# Altium PCB PCB2.PcbDoc (part 1 of 5) (continued)
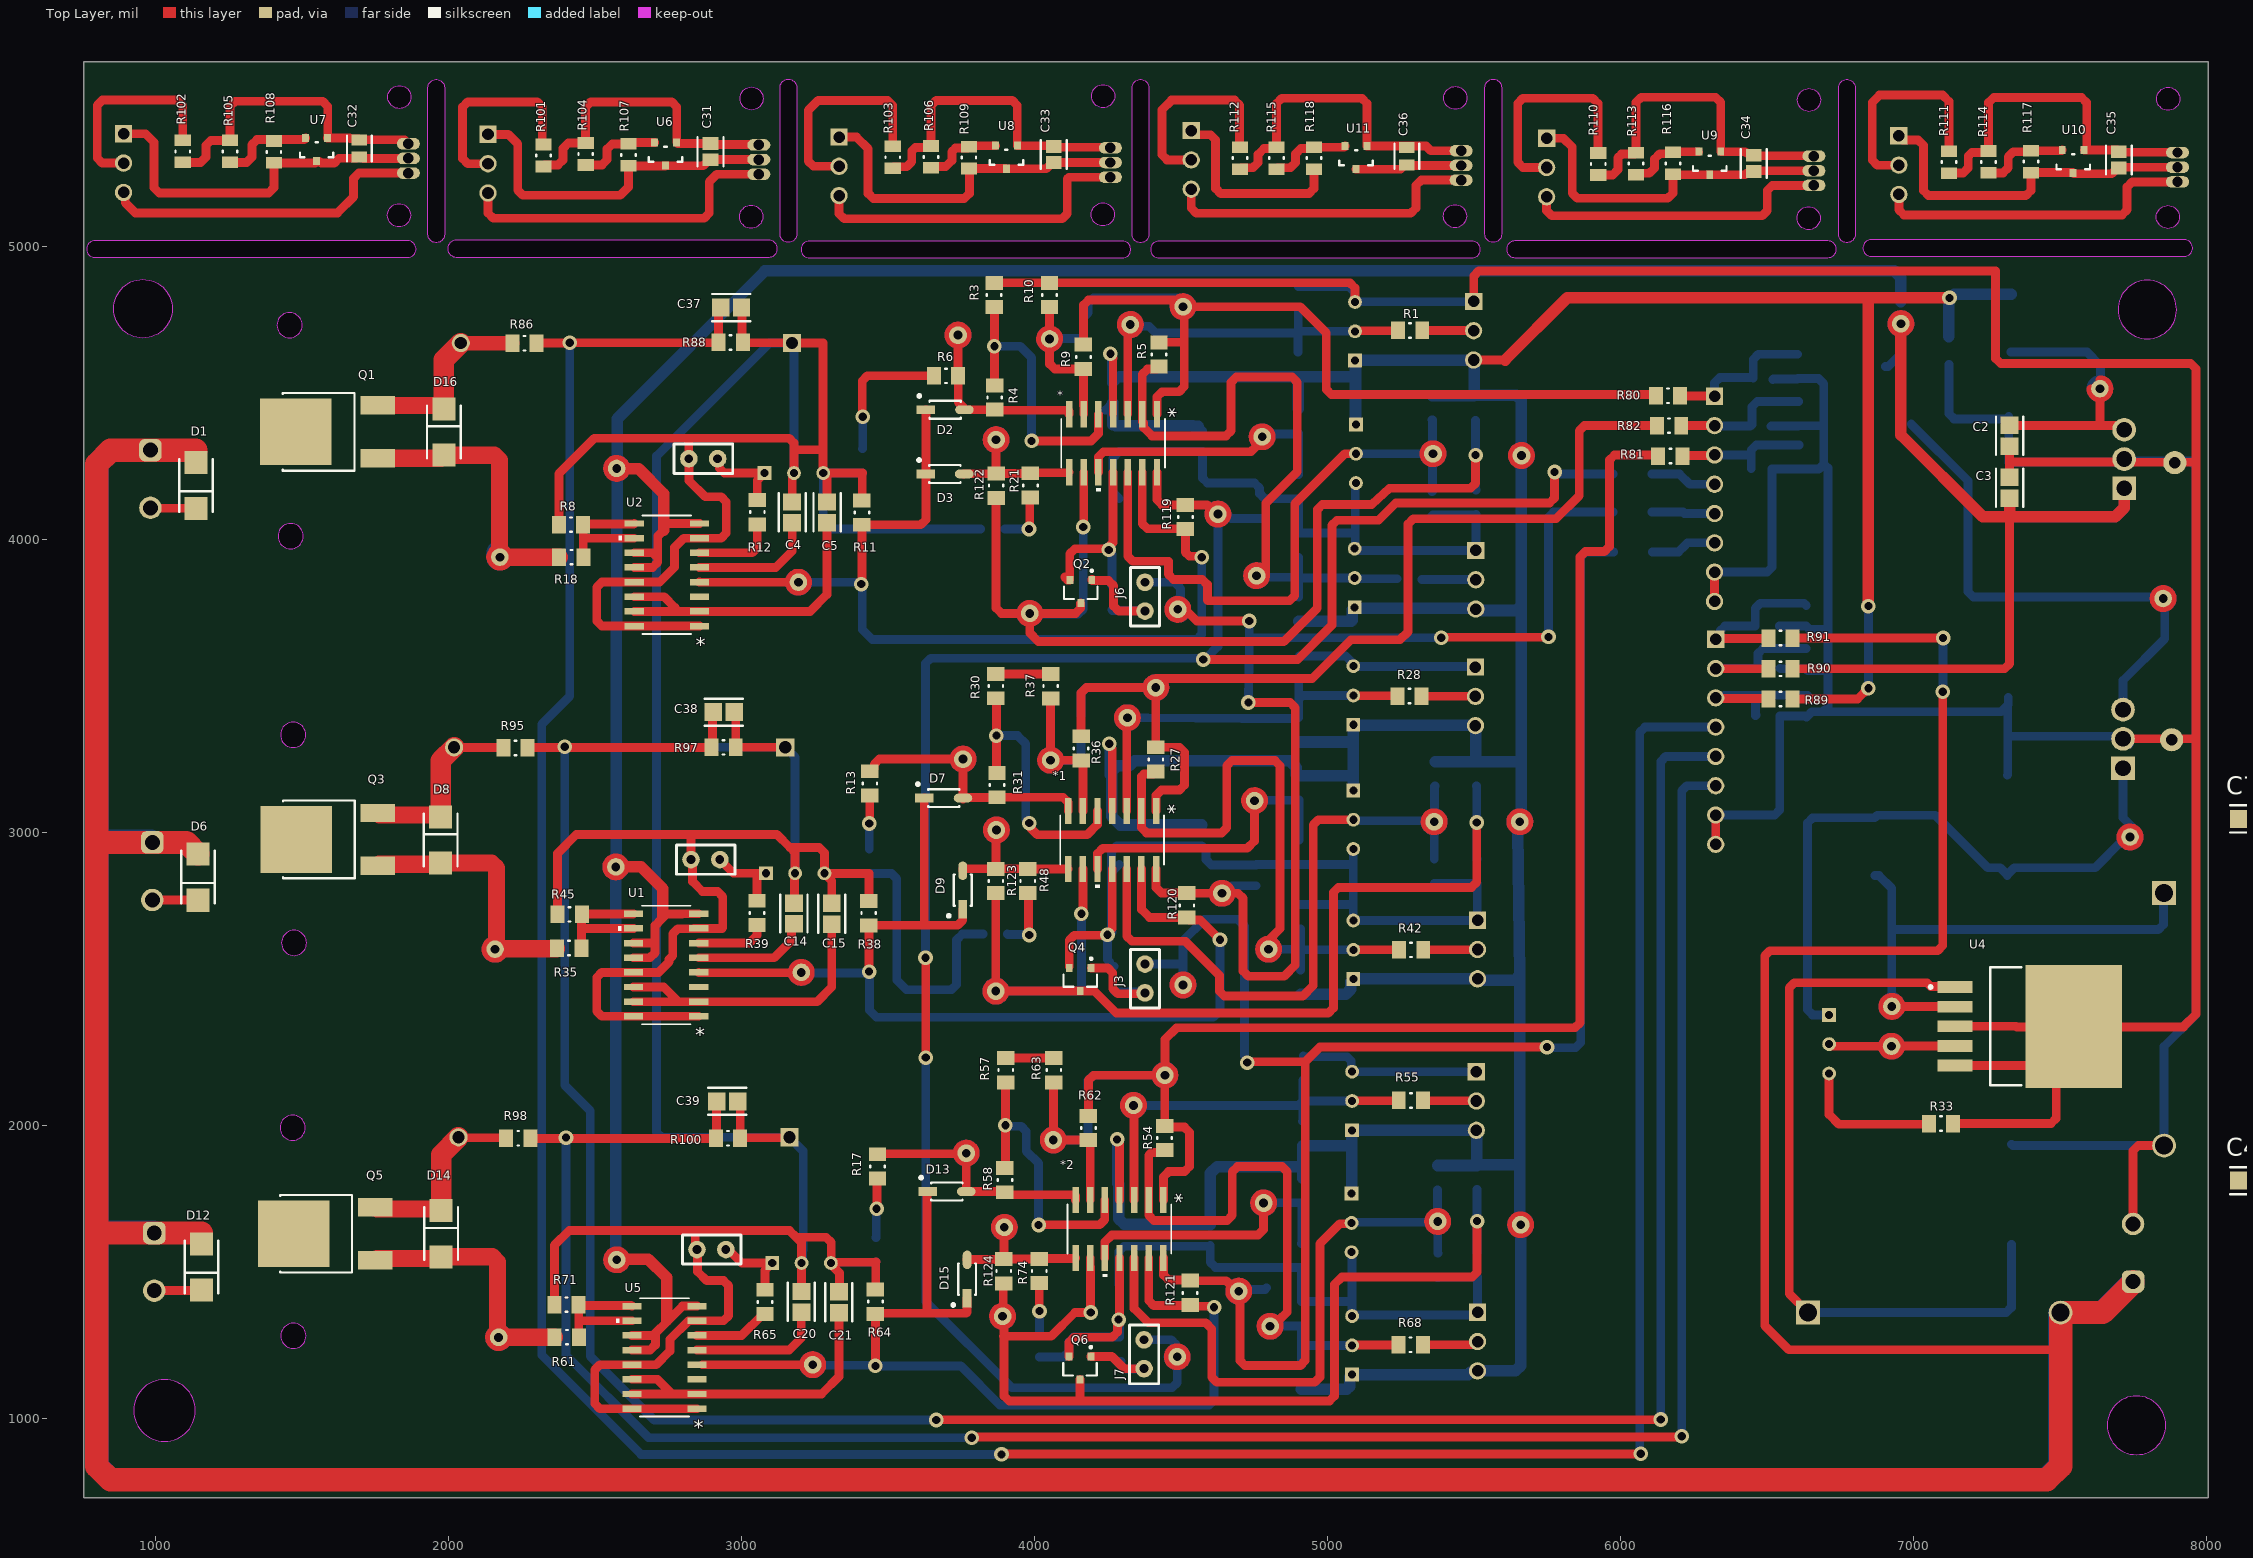
[diagram p0: Top Layer view]
## Components (designator, comment, footprint, x,y, rotation, side; value= is the part's Value field where it differs from the comment) (continued)
J13 "Jumper 1x2.54" Jumper_2.54 64545,2945 r90 top (schematic designator J3)
J14 "Jumper 1x2.54" Jumper_2.54 59905,2945 r90 top (schematic designator J4)
J16 "Jumper 1x2.54" Jumper_2.54 38320,2945 r90 top (schematic designator J6)
J17 "Jumper 1x2.54" Jumper_2.54 33420,2945 r90 top (schematic designator J7)
J19 "Jumper 1x2.54" Jumper_2.54 14615,2945 r90 top (schematic designator J9)
J20 "Jumper 1x2.54" Jumper_2.54 10285,2945 r90 top (schematic designator J10)
L1 "7445720" WE-PD2-L 7332,4737 r90 bottom
L2 "7445720" WE-PD2-L 6903,4490.57 r90 bottom
L3 "7445720" WE-PD2-L 6867,2950 r90 bottom
P1 "61900311121" 61900311121 5486,4711 r90 bottom
P2 "61900311121" 61900311121 5493.19,3861 r90 bottom
P3 "61900311121" 61900311121 5492.19,3463 r90 bottom
P4 "61900311121" 61900311121 5499.19,2599 r90 bottom
P5 "61900311121" 61900311121 5495.19,2082 r90 bottom
P6 "61900311121" 61900311121 5499.19,1261 r90 bottom
P7 "61900811121" 61900811121 6308.19,4137 r90 bottom
P8 "61900811121" 61900811121 6312,3308 r90 bottom
P9 "61900311121" 61900311121 2122,5281 r90 bottom
P10 "61900311121" 61900311121 878.19,5283 r90 bottom
P11 "61900311121" 61900311121 3320,5272 r90 bottom
P12 "61900311121" 61900311121 5735,5268 r90 bottom
P13 "61900311121" 61900311121 6937.19,5276 r90 bottom
P14 "61900311121" 61900311121 4522,5294 r90 bottom
Q1 "IRLR2905TRPBF" On_Semiconductor_369C_MFG 1588,4366 r90 top
Q2 "BC847B,215" BC847B215 4157,3821 r180 top
Q3 "IRLR2905TRPBF" On_Semiconductor_369C_MFG 1588.84,2975 r90 top
Q4 "BC847B,215" BC847B215 4155,2497 r180 top
Q5 "IRLR2905TRPBF" On_Semiconductor_369C_MFG 1579.84,1629 r90 top
Q6 "BC847B,215" BC847B215 4154,1171 r180 top
Q7 "IRLR2905TRPBF" TO229P991X239-3_4N 14790,1096.57 r90 top (schematic designator Q1)
Q8 "IRFR9024N" TO229P991X239-3_4N 67325,2870 r90 top (schematic designator Q2)
Q10 "IRLR2905TRPBF" Infineon_Technologies_PG-TO252-3_MFG 48055,2865 r0 top (schematic designator Q4)
Q11 "IRFR9024N" TO229P991X239-3_4N 43245,3640 r90 top (schematic designator Q5)
Q13 "IRLR2905TRPBF" Infineon_Technologies_PG-TO252-3_MFG 20855,2865 r0 top (schematic designator Q7)
Q14 "IRFR9024N" TO229P991X239-3_4N 17815,2870 r90 top (schematic designator Q8)
R1 "50k" Vishay_CRCW0805-e3_IPC_A 5281,4712 r180 top
R2 "47k" Vishay_CRCW0805-e3_IPC_A 4898,4596 r270 bottom
R3 "1k" Vishay_CRCW0805-e3_IPC_A 3861,4833 r90 top
R4 "100k" Vishay_CRCW0805-e3_IPC_A 3863,4483 r90 top
R5 "100k" Vishay_CRCW0805-e3_IPC_A 4424,4630 r90 top
R6 "1k" Vishay_CRCW0805-e3_IPC_A 3697,4557 r0 top
R7 "47k" Vishay_CRCW0805-e3_IPC_A 4899,4819.63 r270 bottom
R8 "100" Vishay_CRCW0805-e3_IPC_A 2418,3938 r0 top
R9 "10k" Vishay_CRCW0805-e3_IPC_A 4166,4622 r90 top
R10 "1k" Vishay_CRCW0805-e3_IPC_A 4050,4833 r90 top
R11 "100k" Vishay_CRCW0805-e3_IPC_A 3410,4090 r90 top
R12 "1k" Vishay_CRCW0805-e3_IPC_A 3053,4091.63 r90 top
R13 "1k" Vishay_CRCW0805-e3_IPC_A 3437,3166 r90 top
R14 "10k" Vishay_CRCW0805-e3_IPC_A 4899,4402 r270 bottom
R15 "50k" Vishay_CRCW0805-e3_IPC_A 5280,3862 r180 bottom
R16 "47k" Vishay_CRCW0805-e3_IPC_A 4901,3760.63 r270 bottom
R17 "1k" Vishay_CRCW0805-e3_IPC_A 3463,1859 r90 top
R18 "50k" Vishay_CRCW0805-e3_IPC_A 2417,4049 r0 top
R19 "10k" Vishay_CRCW0805-e3_IPC_A 5503,4447 r270 bottom
R20 "47k" Vishay_CRCW0805-e3_IPC_A 4901,3979 r90 bottom
R21 "1k" Vishay_CRCW0805-e3_IPC_A 3985,4183 r90 top
R22 "47k" Vishay_CRCW0805-e3_IPC_A 5506,4126 r90 bottom
R23 "1k" Vishay_CRCW0805-e3_IPC_A 4900,4179 r90 bottom
R24 "1k" Vishay_CRCW0805-e3_IPC_A 5356,4448.63 r90 bottom
R25 "51k" Vishay_CRCW0805-e3_IPC_A 4263,3800 r270 bottom
R26 "10k" Vishay_CRCW0805-e3_IPC_A 5356,4120 r270 bottom
R27 "100k" Vishay_CRCW0805-e3_IPC_A 4413,3248 r90 top
R28 "50k" Vishay_CRCW0805-e3_IPC_A 5279,3464 r180 top
R29 "47k" Vishay_CRCW0805-e3_IPC_A 4901,3348.63 r270 bottom
R30 "1k" Vishay_CRCW0805-e3_IPC_A 3867,3498 r90 top
R31 "100k" Vishay_CRCW0805-e3_IPC_A 3871,3160 r90 top
R32 "100k" Vishay_CRCW0805-e3_IPC_A 19405,1810 r0 top (schematic designator R1)
R33 "1k" Vishay_CRCW0805-e3_IPC_A 7093,2005 r180 top
R34 "47k" Vishay_CRCW0805-e3_IPC_A 4901,3558 r270 bottom
R35 "100" Vishay_CRCW0805-e3_IPC_A 2411,2604 r0 top
R36 "10k" Vishay_CRCW0805-e3_IPC_A 4158,3285.63 r90 top
R37 "1k" Vishay_CRCW0805-e3_IPC_A 4054,3497.63 r90 top
R38 "100k" Vishay_CRCW0805-e3_IPC_A 3433,2723 r90 top
R39 "1k" Vishay_CRCW0805-e3_IPC_A 3052,2724 r90 top
R40 "50k" Vishay_CRCW0805-e3_IPC_A 19175,1810 r0 top (schematic designator R2)
R41 "10k" Vishay_CRCW0805-e3_IPC_A 4902,3150.63 r270 bottom
R42 "50k" Vishay_CRCW0805-e3_IPC_A 5284.37,2598 r180 top
R43 "47k" Vishay_CRCW0805-e3_IPC_A 4907,2487 r270 bottom
R44 "47k" Vishay_CRCW0805-e3_IPC_A 18945,1810 r0 top (schematic designator R3)
R45 "50k" Vishay_CRCW0805-e3_IPC_A 2412.63,2719 r0 top
R46 "9.1k" Vishay_CRCW0805-e3_IPC_A 5507,3198.63 r270 bottom
R47 "47k" Vishay_CRCW0805-e3_IPC_A 4908,2711 r90 bottom
R48 "1k" Vishay_CRCW0805-e3_IPC_A 3976,2833 r90 top
R49 "10k" Vishay_CRCW0805-e3_IPC_A 5509,2866.37 r90 bottom
R50 "1k" Vishay_CRCW0805-e3_IPC_A 4901,2930.63 r90 bottom
R51 "1k" Vishay_CRCW0805-e3_IPC_A 5366,3198.63 r90 bottom
R52 "51k" Vishay_CRCW0805-e3_IPC_A 4270,2500.37 r270 bottom
R53 "10k" Vishay_CRCW0805-e3_IPC_A 5363,2866 r270 bottom
R54 "100k" Vishay_CRCW0805-e3_IPC_A 4443,1956 r90 top
R55 "50k" Vishay_CRCW0805-e3_IPC_A 5283.37,2084 r180 top
R56 "47k" Vishay_CRCW0805-e3_IPC_A 4914,1971.37 r270 bottom
R57 "1k" Vishay_CRCW0805-e3_IPC_A 3901,2187 r90 top
R58 "100k" Vishay_CRCW0805-e3_IPC_A 3898,1812 r90 top
R59 "1k" Vishay_CRCW0805-e3_IPC_A 18485,1810 r0 top (schematic designator R4)
R60 "47k" Vishay_CRCW0805-e3_IPC_A 4916,2195.37 r270 bottom
R61 "100" Vishay_CRCW0805-e3_IPC_A 2402.63,1276 r0 top
R62 "10k" Vishay_CRCW0805-e3_IPC_A 4183,1990 r90 top
R63 "1k" Vishay_CRCW0805-e3_IPC_A 4065,2187 r90 top
R64 "100k" Vishay_CRCW0805-e3_IPC_A 3456,1397 r90 top
R65 "1k" Vishay_CRCW0805-e3_IPC_A 3079,1396.37 r90 top
R66 "100k" Vishay_CRCW0805-e3_IPC_A 18715,1810 r0 top (schematic designator R5)
R67 "10k" Vishay_CRCW0805-e3_IPC_A 4914,1777 r270 bottom
R68 "50k" Vishay_CRCW0805-e3_IPC_A 5283,1250 r180 top
R69 "47k" Vishay_CRCW0805-e3_IPC_A 4910,1140 r270 bottom
R70 "51k" Vishay_CRCW0805-e3_IPC_A 16760,1810 r0 top (schematic designator R6)
R71 "50k" Vishay_CRCW0805-e3_IPC_A 2401.63,1387 r0 top
R72 "9.1k" Vishay_CRCW0805-e3_IPC_A 5509,1821 r270 bottom
R73 "47k" Vishay_CRCW0805-e3_IPC_A 4910,1356 r90 bottom
R74 "1k" Vishay_CRCW0805-e3_IPC_A 4015,1502 r90 top
R75 "10k" Vishay_CRCW0805-e3_IPC_A 5510,1523 r90 bottom
R76 "1k" Vishay_CRCW0805-e3_IPC_A 4910,1554 r90 bottom
R77 "1k" Vishay_CRCW0805-e3_IPC_A 5374,1820 r90 bottom
R78 "51k" Vishay_CRCW0805-e3_IPC_A 4289,1235 r270 bottom
R79 "10k" Vishay_CRCW0805-e3_IPC_A 5376,1521 r270 bottom
R80 "51k" Vishay_CRCW0805-e3_IPC_A 6161,4489 r180 top
R81 "51k" Vishay_CRCW0805-e3_IPC_A 6169,4283 r180 top
R82 "51k" Vishay_CRCW0805-e3_IPC_A 6165,4387 r180 top
R83 "10k" Vishay_CRCW0805-e3_IPC_A 6604,4589 r270 bottom
R84 "10k" Vishay_CRCW0805-e3_IPC_A 6606,4428 r270 bottom
R85 "10k" Vishay_CRCW0805-e3_IPC_A 6608,4280 r270 bottom
R86 "10k" Vishay_CRCW0805-e3_IPC_A 2258.37,4668 r180 top
R87 "0.1ohm" RES_TUM5_OHM 3171,4669 r180 bottom
R88 "10k" Vishay_CRCW0805-e3_IPC_A 2962,4671 r0 top
R89 "33k" Vishay_CRCW0805-e3_IPC_A 6545,3454 r0 top
R90 "33k" Vishay_CRCW0805-e3_IPC_A 6545,3557 r0 top
R91 "51k" Vishay_CRCW0805-e3_IPC_A 6545,3662 r0 top
R92 "1k" Vishay_CRCW0805-e3_IPC_A 6501,3397 r0 bottom
R93 "1k" Vishay_CRCW0805-e3_IPC_A 6502,3559 r0 bottom
R94 "1k" Vishay_CRCW0805-e3_IPC_A 6500,3703 r0 bottom
R95 "10k" Vishay_CRCW0805-e3_IPC_A 2227.37,3287 r180 top
R96 "0.1ohm" RES_TUM5_OHM 3148,3289 r180 bottom
R97 "10k" Vishay_CRCW0805-e3_IPC_A 2938,3289 r0 top
R98 "10k" Vishay_CRCW0805-e3_IPC_A 2237,1955 r180 top
R99 "0.1ohm" RES_TUM5_OHM 3163,1958 r180 bottom
R100 "10k" Vishay_CRCW0805-e3_IPC_A 2953,1955 r0 top
R101 "100" Vishay_CRCW0805-e3_IPC_B 2323,5309 r90 top
R102 "100" Vishay_CRCW0805-e3_IPC_B 1092,5323 r90 top
R103 "100" Vishay_CRCW0805-e3_IPC_B 3515,5303 r90 top
R104 "100" Vishay_CRCW0805-e3_IPC_B 2467,5314 r270 top
R105 "100" Vishay_CRCW0805-e3_IPC_B 1253,5323 r270 top
R106 "100" Vishay_CRCW0805-e3_IPC_B 3646,5304 r270 top
R107 "100" Vishay_CRCW0805-e3_IPC_B 2613,5311 r270 top
R108 "100" Vishay_CRCW0805-e3_IPC_B 1403,5321 r270 top
R109 "100" Vishay_CRCW0805-e3_IPC_B 3775,5302 r270 top
R110 "100" Vishay_CRCW0805-e3_IPC_B 5923,5280 r90 top
R111 "100" Vishay_CRCW0805-e3_IPC_B 7120,5286.44 r90 top
R112 "100" Vishay_CRCW0805-e3_IPC_B 4700,5300 r90 top
R113 "100" Vishay_CRCW0805-e3_IPC_B 6052,5281 r270 top
R114 "100" Vishay_CRCW0805-e3_IPC_B 7255,5287 r270 top
R115 "100" Vishay_CRCW0805-e3_IPC_B 4825,5300 r270 top
R116 "100" Vishay_CRCW0805-e3_IPC_B 6178,5282 r270 top
R117 "100" Vishay_CRCW0805-e3_IPC_B 7400,5288 r270 top
R118 "100" Vishay_CRCW0805-e3_IPC_B 4953,5300 r270 top
R119 "100k" Vishay_CRCW0805-e3_IPC_A 4514,4075 r270 top
R120 "100k" Vishay_CRCW0805-e3_IPC_A 4519,2750 r270 top
R121 "100k" Vishay_CRCW0805-e3_IPC_A 4530,1427.37 r270 top
R122 "100k" Vishay_CRCW0805-e3_IPC_A 3868,4182 r270 top
R123 "100k" Vishay_CRCW0805-e3_IPC_A 3867,2833 r270 top
R124 "100k" Vishay_CRCW0805-e3_IPC_A 3894,1501 r270 top
R125 "51k" Vishay_CRCW0805-e3_IPC_A 16440,1775 r90 top (schematic designator R7)
R126 "51k" Vishay_CRCW0805-e3_IPC_A 16160,1775 r90 top (schematic designator R8)
R127 "50k" Vishay_CRCW0805-e3_IPC_A 15880,1775 r90 top (schematic designator R9)
R128 "47k" Vishay_CRCW0805-e3_IPC_A 15325,1775 r90 top (schematic designator R10)
R129 "100" Vishay_CRCW0805-e3_IPC_A 15605,1775 r90 top (schematic designator R11)
R130 "1k" Vishay_CRCW0805-e3_IPC_A 13365,1775 r90 top (schematic designator R12)
R131 "10k" Vishay_CRCW0805-e3_IPC_A 12300,1775 r90 top (schematic designator R13)
R132 "1k" Vishay_CRCW0805-e3_IPC_A 11730,1775 r90 top (schematic designator R14)
R133 "10k" Vishay_CRCW0805-e3_IPC_A 10660,1775 r90 top (schematic designator R15)
R134 "10k" Vishay_CRCW0805-e3_IPC_A 10940,1775 r90 top (schematic designator R16)
R135 "10k" Vishay_CRCW0805-e3_IPC_A 11220,1775 r90 top (schematic designator R17)
R136 "100" Vishay_CRCW0805-e3_IPC_A 9420,1775 r90 top (schematic designator R18)
R137 "100k" Vishay_CRCW0805-e3_IPC_A 8340,1775 r90 top (schematic designator R19)
R138 "1k" Vishay_CRCW0805-e3_IPC_A 8620,1775 r90 top (schematic designator R20)
R139 "100k" Vishay_CRCW0805-e3_IPC_A 67575,3010 r90 top (schematic designator R21)
R140 "10k" Vishay_CRCW0805-e3_IPC_A 66955,3010 r90 top (schematic designator R22)
R141 "50k" Vishay_CRCW0805-e3_IPC_A 66695,3010 r90 top (schematic designator R23)
R142 "47k" Vishay_CRCW0805-e3_IPC_A 66415,3010 r90 top (schematic designator R24)
R143 "50k" Vishay_CRCW0805-e3_IPC_A 65045,3010 r90 top (schematic designator R25)
R144 "10k" Vishay_CRCW0805-e3_IPC_A 63745,3010 r90 top (schematic designator R26)
R145 "10k" Vishay_CRCW0805-e3_IPC_A 63465,3010 r90 top (schematic designator R27)
R147 "47k" Vishay_CRCW0805-e3_IPC_A 62895,3010 r90 top (schematic designator R29)
R148 "100k" Vishay_CRCW0805-e3_IPC_A 61805,3010 r90 top (schematic designator R30)
R149 "10k" Vishay_CRCW0805-e3_IPC_A 61525,3010 r90 top (schematic designator R31)
R150 "1k" Vishay_CRCW0805-e3_IPC_A 61245,3010 r90 top (schematic designator R32)
R151 "47k" Vishay_CRCW0805-e3_IPC_A 60125,3010 r90 top (schematic designator R33)
R152 "1k" Vishay_CRCW0805-e3_IPC_A 60380,3010 r90 top (schematic designator R34)
R153 "1k" Vishay_CRCW0805-e3_IPC_A 59625,3010 r90 top (schematic designator R35)
R154 "51k" Vishay_CRCW0805-e3_IPC_A 59115,3010 r90 top (schematic designator R36)
R155 "33k" Vishay_CRCW0805-e3_IPC_A 57995,3010 r90 top (schematic designator R37)
R156 "33k" Vishay_CRCW0805-e3_IPC_A 58275,3010 r90 top (schematic designator R38)
R157 "51k" Vishay_CRCW0805-e3_IPC_A 58555,3010 r90 top (schematic designator R39)
R158 "10k" Vishay_CRCW0805-e3_IPC_A 57445,3010 r90 top (schematic designator R40)
R159 "1k" Vishay_CRCW0805-e3_IPC_A 55470,3010 r90 top (schematic designator R41)
R160 "1k" Vishay_CRCW0805-e3_IPC_A 55750,3010 r90 top (schematic designator R42)
R161 "1k" Vishay_CRCW0805-e3_IPC_A 56030,3010 r90 top (schematic designator R43)
R162 "100k" Vishay_CRCW0805-e3_IPC_A 53465,3010 r90 top (schematic designator R44)
R163 "50k" Vishay_CRCW0805-e3_IPC_A 53185,3010 r90 top (schematic designator R45)
R164 "47k" Vishay_CRCW0805-e3_IPC_A 52905,3010 r90 top (schematic designator R46)
R165 "1k" Vishay_CRCW0805-e3_IPC_A 52345,3010 r90 top (schematic designator R47)
R166 "100k" Vishay_CRCW0805-e3_IPC_A 52625,3010 r90 top (schematic designator R48)
R167 "1k" Vishay_CRCW0805-e3_IPC_A 52065,3010 r90 top (schematic designator R49)
R168 "50k" Vishay_CRCW0805-e3_IPC_A 50285,3010 r90 top (schematic designator R50)
R169 "47k" Vishay_CRCW0805-e3_IPC_A 50005,3010 r90 top (schematic designator R51)
R170 "100" Vishay_CRCW0805-e3_IPC_A 49435,3010 r90 top (schematic designator R52)
R171 "1k" Vishay_CRCW0805-e3_IPC_A 48305,3010 r90 top (schematic designator R53)
R172 "10k" Vishay_CRCW0805-e3_IPC_A 47680,3010 r90 top (schematic designator R54)
R173 "1k" Vishay_CRCW0805-e3_IPC_A 47400,3010 r90 top (schematic designator R55)
R174 "100" Vishay_CRCW0805-e3_IPC_B 46650,3030 r90 top (schematic designator R56)
R175 "100" Vishay_CRCW0805-e3_IPC_B 45630,3030 r90 top (schematic designator R57)
R176 "100" Vishay_CRCW0805-e3_IPC_B 46140,3030 r90 top (schematic designator R58)
R177 "100" Vishay_CRCW0805-e3_IPC_A 44860,3010 r90 top (schematic designator R59)
R178 "100k" Vishay_CRCW0805-e3_IPC_A 44010,3010 r90 top (schematic designator R60)
R179 "1k" Vishay_CRCW0805-e3_IPC_A 44290,3010 r90 top (schematic designator R61)
R180 "100k" Vishay_CRCW0805-e3_IPC_A 43500,3010 r90 top (schematic designator R62)
R181 "10k" Vishay_CRCW0805-e3_IPC_A 42690,3010 r90 top (schematic designator R63)
R182 "100" Vishay_CRCW0805-e3_IPC_B 42400,3030 r90 top (schematic designator R64)
R183 "100" Vishay_CRCW0805-e3_IPC_B 41840,3030 r90 top (schematic designator R65)
R184 "100" Vishay_CRCW0805-e3_IPC_B 42120,3030 r90 top (schematic designator R66)
R185 "50k" Vishay_CRCW0805-e3_IPC_A 41570,3010 r90 top (schematic designator R67)
R186 "47k" Vishay_CRCW0805-e3_IPC_A 41290,3010 r90 top (schematic designator R68)
R187 "50k" Vishay_CRCW0805-e3_IPC_A 39470,3010 r90 top (schematic designator R69)
R188 "10k" Vishay_CRCW0805-e3_IPC_A 37520,3010 r90 top (schematic designator R70)
R189 "9.1k" Vishay_CRCW0805-e3_IPC_A 37240,3010 r90 top (schematic designator R71)
R190 "100" Vishay_CRCW0805-e3_IPC_B 36655,3030 r90 top (schematic designator R72)
R191 "100" Vishay_CRCW0805-e3_IPC_B 36115,3030 r90 top (schematic designator R73)
R192 "100" Vishay_CRCW0805-e3_IPC_B 36375,3030 r90 top (schematic designator R74)
R194 "47k" Vishay_CRCW0805-e3_IPC_A 35850,3010 r90 top (schematic designator R76)
R195 "100k" Vishay_CRCW0805-e3_IPC_A 35340,3010 r90 top (schematic designator R77)
R196 "10k" Vishay_CRCW0805-e3_IPC_A 35060,3010 r90 top (schematic designator R78)
R197 "1k" Vishay_CRCW0805-e3_IPC_A 34780,3010 r90 top (schematic designator R79)
R198 "10k" Vishay_CRCW0805-e3_IPC_A 33635,3010 r90 top (schematic designator R80)
R199 "1k" Vishay_CRCW0805-e3_IPC_A 33915,3010 r90 top (schematic designator R81)
R200 "1k" Vishay_CRCW0805-e3_IPC_A 33130,3010 r90 top (schematic designator R82)
R201 "51k" Vishay_CRCW0805-e3_IPC_A 32630,3010 r90 top (schematic designator R83)
R202 "100" Vishay_CRCW0805-e3_IPC_B 31495,3030 r90 top (schematic designator R84)
R203 "100" Vishay_CRCW0805-e3_IPC_B 32065,3030 r90 top (schematic designator R85)
R204 "100" Vishay_CRCW0805-e3_IPC_B 30925,3030 r90 top (schematic designator R86)
R205 "10k" Vishay_CRCW0805-e3_IPC_A 30065,3010 r90 top (schematic designator R87)
R206 "100" Vishay_CRCW0805-e3_IPC_B 29245,3030 r90 top (schematic designator R88)
R207 "100" Vishay_CRCW0805-e3_IPC_B 29535,3030 r90 top (schematic designator R89)
R208 "100" Vishay_CRCW0805-e3_IPC_B 28955,3030 r90 top (schematic designator R90)
R209 "100" Vishay_CRCW0805-e3_IPC_B 26825,3030 r90 top (schematic designator R91)
R210 "100" Vishay_CRCW0805-e3_IPC_B 27115,3030 r90 top (schematic designator R92)
R211 "100" Vishay_CRCW0805-e3_IPC_B 26565,3030 r90 top (schematic designator R93)
R212 "100k" Vishay_CRCW0805-e3_IPC_A 26005,3010 r90 top (schematic designator R94)
R213 "50k" Vishay_CRCW0805-e3_IPC_A 25725,3010 r90 top (schematic designator R95)
R214 "47k" Vishay_CRCW0805-e3_IPC_A 25445,3010 r90 top (schematic designator R96)
R215 "1k" Vishay_CRCW0805-e3_IPC_A 24885,3010 r90 top (schematic designator R97)
R216 "100k" Vishay_CRCW0805-e3_IPC_A 25165,3010 r90 top (schematic designator R98)
R217 "50k" Vishay_CRCW0805-e3_IPC_A 23525,3010 r90 top (schematic designator R99)
R218 "47k" Vishay_CRCW0805-e3_IPC_A 22560,3010 r90 top (schematic designator R100)
R219 "100" Vishay_CRCW0805-e3_IPC_A 22840,3010 r90 top (schematic designator R101)
R220 "1k" Vishay_CRCW0805-e3_IPC_A 21105,3010 r90 top (schematic designator R102)
R221 "10k" Vishay_CRCW0805-e3_IPC_A 20495,3010 r90 top (schematic designator R103)
R222 "1k" Vishay_CRCW0805-e3_IPC_A 20205,3010 r90 top (schematic designator R104)
R223 "100" Vishay_CRCW0805-e3_IPC_A 19165,3010 r90 top (schematic designator R105)
R224 "100k" Vishay_CRCW0805-e3_IPC_A 18295,3010 r90 top (schematic designator R106)
R225 "1k" Vishay_CRCW0805-e3_IPC_A 18585,3010 r90 top (schematic designator R107)
R226 "100k" Vishay_CRCW0805-e3_IPC_A 17205,3010 r90 top (schematic designator R108)
R227 "10k" Vishay_CRCW0805-e3_IPC_A 16915,3010 r90 top (schematic designator R109)
R228 "50k" Vishay_CRCW0805-e3_IPC_A 16625,3010 r90 top (schematic designator R110)
R229 "47k" Vishay_CRCW0805-e3_IPC_A 16335,3010 r90 top (schematic designator R111)
R230 "50k" Vishay_CRCW0805-e3_IPC_A 15120,3010 r90 top (schematic designator R112)
R231 "10k" Vishay_CRCW0805-e3_IPC_A 13790,3010 r90 top (schematic designator R113)
R232 "9.1k" Vishay_CRCW0805-e3_IPC_A 13500,3010 r90 top (schematic designator R114)
R234 "47k" Vishay_CRCW0805-e3_IPC_A 12870,3010 r90 top (schematic designator R116)
R235 "100k" Vishay_CRCW0805-e3_IPC_A 12350,3010 r90 top (schematic designator R117)
R236 "10k" Vishay_CRCW0805-e3_IPC_A 12060,3010 r90 top (schematic designator R118)
R237 "1k" Vishay_CRCW0805-e3_IPC_A 11770,3010 r90 top (schematic designator R119)
R238 "10k" Vishay_CRCW0805-e3_IPC_A 10510,3010 r90 top (schematic designator R120)
R239 "1k" Vishay_CRCW0805-e3_IPC_A 10800,3010 r90 top (schematic designator R121)
R240 "1k" Vishay_CRCW0805-e3_IPC_A 9990,3010 r90 top (schematic designator R122)
R241 "51k" Vishay_CRCW0805-e3_IPC_A 9490,3010 r90 top (schematic designator R123)
R242 "10k" Vishay_CRCW0805-e3_IPC_A 8570,3010 r90 top (schematic designator R124)
RG1 "Reg_Fairchild_LM7805CT_eec" Fairchild_LM7805CT_0 7739.26,4273 r0 bottom
RP1 "10k" Bourns_3296W_MFG 5093.2,4709 r180 bottom
RP2 "10k" Bourns_3296W_MFG 5092,3867 r180 bottom
RP3 "10k" Bourns_3296W_MFG 3178,4224.8 r90 bottom
RP4 "10k" Bourns_3296W_MFG 5095.8,4291 r0 bottom
RP5 "50k" Bourns_3296W_MFG 6710.8,2276 r0 bottom
RP6 "10k" Bourns_3296W_MFG 5087.2,3466 r180 bottom
RP7 "10k" Bourns_3296W_MFG 5087.2,2598 r180 bottom
RP8 "10k" Bourns_3296W_MFG 3182,2859 r90 bottom
RP9 "10k" Bourns_3296W_MFG 5086.8,3042 r0 bottom
RP10 "10k" Bourns_3296W_MFG 5083.2,2082 r180 bottom
RP11 "10k" Bourns_3296W_MFG 5083.2,1248 r180 bottom
RP12 "10k" Bourns_3296W_MFG 3204,1528.8 r90 bottom
RP13 "10k" Bourns_3296W_MFG 5081,1666 r0 bottom
RP14 "10k" Bourns_3296W_MFG 17640,1665 r0 top (schematic designator RP1)
RP15 "10k" Bourns_3296W_MFG 65665,2900 r0 top (schematic designator RP2)
RP16 "10k" Bourns_3296W_MFG 64815,2900 r0 top (schematic designator RP3)
RP17 "10k" Bourns_3296W_MFG 58885,2900 r0 top (schematic designator RP4)
RP18 "50k" Bourns_3296W_MFG 53795,2900 r0 top (schematic designator RP5)
RP19 "10k" Bourns_3296W_MFG 51255,2900 r0 top (schematic designator RP6)
RP20 "10k" Bourns_3296W_MFG 40760,2900 r0 top (schematic designator RP7)
RP21 "10k" Bourns_3296W_MFG 38590,2900 r0 top (schematic designator RP8)
RP22 "10k" Bourns_3296W_MFG 30700,2900 r0 top (schematic designator RP9)
RP23 "10k" Bourns_3296W_MFG 24090,2900 r0 top (schematic designator RP10)
RP24 "10k" Bourns_3296W_MFG 15805,2900 r0 top (schematic designator RP11)
RP25 "10k" Bourns_3296W_MFG 14885,2900 r0 top (schematic designator RP12)
RP26 "10k" Bourns_3296W_MFG 9255,2900 r0 top (schematic designator RP13)
TP1 "Test_Point_PCB" Test_Point#1 7635,4513 r0 bottom
TP2 "Test_Point_PCB" Test_Point#2 2573,4241 r180 bottom
TP3 "Test_Point_PCB" Test_Point#3 3983,3746 r180 bottom
TP4 "Test_Point_PCB" Test_Point#4 7738,2983 r180 bottom
TP5 "Test_Point_PCB" Test_Point#5 7851,3797 r180 bottom
TP6 "Test_Point_PCB" Test_Point#6 5359,4291 r180 bottom
TP7 "Test_Point_PCB" Test_Point#5 5661,4285 r180 bottom
TP8 "Test_Point_PCB" Test_Point#7 4050.63,4682.99 r90 bottom
TP9 "Test_Point_PCB" Test_Point#8 4506,4793 r180 bottom
TP10 "Test_Point_PCB" Test_Point#9 4326,4732 r90 bottom
TP11 "Test_Point_PCB" Test_Point#10 2174.23,3938 r0 bottom
TP12 "Test_Point_PCB" Test_Point#11 3193.29,3852.5 r90 bottom
TP13 "Test_Point_PCB" Test_Point#12 4757,3875 r90 bottom
TP14 "Test_Point_PCB" Test_Point#4 4776,4349 r90 bottom
TP15 "Test_Point_PCB" Test_Point#13 3868,4339 r90 bottom
TP16 "Test_Point_PCB" Test_Point#12 4488,3760 r180 bottom
TP17 "Test_Point_PCB" Test_Point#14 4625,4085 r90 bottom
TP18 "Test_Point_PCB" Test_Point#15 6925,2405 r270 bottom
TP19 "Test_Point_PCB" Test_Point#16 6924,2269 r270 bottom
TP20 "Test_Point_PCB" Test_Point#17 5655.44,3035 r90 bottom
TP21 "Test_Point_PCB" Test_Point#18 4413,3493 r90 bottom
TP22 "Test_Point_PCB" Test_Point#19 4054,3245 r90 bottom
TP23 "Test_Point_PCB" Test_Point#20 4316,3390 r90 bottom
TP24 "Test_Point_PCB" Test_Point#21 3203,2521 r90 bottom
TP25 "Test_Point_PCB" Test_Point#16 2158,2600 r90 bottom
TP26 "Test_Point_PCB" Test_Point#22 2570,2881 r90 bottom
TP27 "Test_Point_PCB" Test_Point#23 4798,2600 r90 bottom
TP28 "Test_Point_PCB" Test_Point#24 4750,3107 r0 bottom
TP29 "Test_Point_PCB" Test_Point#25 3869,3007 r90 bottom
TP30 "Test_Point_PCB" Test_Point#26 3867,2457 r90 bottom
TP31 "Test_Point_PCB" Test_Point#21 4506,2478 r90 bottom
TP32 "Test_Point_PCB" Test_Point#14 4639,2791 r90 bottom
TP33 "Test_Point_PCB" Test_Point#6 5363,3035 r90 bottom
TP34 "Test_Point_PCB" Test_Point#4 6956,4735 r90 bottom
TP35 "Test_Point_PCB" Test_Point#5 5658.22,1659.78 r90 bottom
TP36 "Test_Point_PCB" Test_Point#12 4444,2170 r90 bottom
TP37 "Test_Point_PCB" Test_Point#27 4063,1949 r90 bottom
TP38 "Test_Point_PCB" Test_Point#28 4337,2067 r0 bottom
TP39 "Test_Point_PCB" Test_Point#29 3242,1182 r90 bottom
TP40 "Test_Point_PCB" Test_Point#30 2170,1275 r90 bottom
TP41 "Test_Point_PCB" Test_Point#31 2573,1540 r90 bottom
TP42 "Test_Point_PCB" Test_Point#23 4803,1313 r90 bottom
TP43 "Test_Point_PCB" Test_Point#28 4781,1734 r90 bottom
TP44 "Test_Point_PCB" Test_Point#25 3896,1651 r90 bottom
TP45 "Test_Point_PCB" Test_Point#32 3890,1347 r90 bottom
TP46 "Test_Point_PCB" Test_Point#23 4486,1209 r90 bottom
TP47 "Test_Point_PCB" Test_Point#33 4696,1433 r90 bottom
TP48 "Test_Point_PCB" Test_Point#5 5375,1671 r90 bottom
TP49 "Test_Point_PCB" Test_Point#13 3738,4696 r90 bottom
TP50 "Test_Point_PCB" Test_Point#34 3755,3249 r90 bottom
TP51 "Test_Point_PCB" Test_Point#13 3766,1904 r90 bottom
TP52 "Test_Point_PCB" Test_Point#35 19595,1820 r90 top (schematic designator TP1)
TP53 "Test_Point_PCB" Test_Point#35 18155,1820 r90 top (schematic designator TP2)
TP54 "Test_Point_PCB" Test_Point#35 17860,1820 r90 top (schematic designator TP3)
TP55 "Test_Point_PCB" Test_Point#35 15025,1820 r90 top (schematic designator TP4)
TP56 "Test_Point_PCB" Test_Point#35 14735,1820 r90 top (schematic designator TP5)
TP57 "Test_Point_PCB" Test_Point#35 14445,1820 r90 top (schematic designator TP6)
TP58 "Test_Point_PCB" Test_Point#35 14155,1820 r90 top (schematic designator TP7)
TP59 "Test_Point_PCB" Test_Point#35 13865,1820 r90 top (schematic designator TP8)
TP60 "Test_Point_PCB" Test_Point#35 12005,1820 r90 top (schematic designator TP9)
TP61 "Test_Point_PCB" Test_Point#35 9695,1820 r90 top (schematic designator TP10)
TP62 "Test_Point_PCB" Test_Point#35 8895,1820 r90 top (schematic designator TP11)
TP63 "Test_Point_PCB" Test_Point#35 65885,3055 r90 top (schematic designator TP12)
TP64 "Test_Point_PCB" Test_Point#35 65315,3055 r90 top (schematic designator TP13)
TP65 "Test_Point_PCB" Test_Point#35 64245,3055 r90 top (schematic designator TP14)
TP66 "Test_Point_PCB" Test_Point#35 63165,3055 r90 top (schematic designator TP15)
TP67 "Test_Point_PCB" Test_Point#35 62305,3055 r90 top (schematic designator TP16)
TP68 "Test_Point_PCB" Test_Point#35 62595,3055 r90 top (schematic designator TP17)
TP69 "Test_Point_PCB" Test_Point#35 60945,3055 r90 top (schematic designator TP18)
TP70 "Test_Point_PCB" Test_Point#35 60655,3055 r90 top (schematic designator TP19)
TP71 "Test_Point_PCB" Test_Point#35 57715,3055 r90 top (schematic designator TP20)
TP72 "Test_Point_PCB" Test_Point#35 54885,3055 r90 top (schematic designator TP21)
TP73 "Test_Point_PCB" Test_Point#35 54305,3055 r90 top (schematic designator TP22)
TP74 "Test_Point_PCB" Test_Point#35 54015,3055 r90 top (schematic designator TP23)
TP75 "Test_Point_PCB" Test_Point#35 51765,3055 r90 top (schematic designator TP24)
TP76 "Test_Point_PCB" Test_Point#35 51475,3055 r90 top (schematic designator TP25)
TP77 "Test_Point_PCB" Test_Point#35 49710,3055 r90 top (schematic designator TP26)
TP78 "Test_Point_PCB" Test_Point#35 49135,3055 r90 top (schematic designator TP27)
TP79 "Test_Point_PCB" Test_Point#35 48845,3055 r90 top (schematic designator TP28)
TP80 "Test_Point_PCB" Test_Point#35 48555,3055 r90 top (schematic designator TP29)
TP81 "Test_Point_PCB" Test_Point#35 45135,3055 r90 top (schematic designator TP30)
TP82 "Test_Point_PCB" Test_Point#35 44565,3055 r90 top (schematic designator TP31)
TP83 "Test_Point_PCB" Test_Point#35 40990,3055 r90 top (schematic designator TP32)
TP84 "Test_Point_PCB" Test_Point#35 39740,3055 r90 top (schematic designator TP33)
TP85 "Test_Point_PCB" Test_Point#35 38020,3055 r90 top (schematic designator TP34)
TP86 "Test_Point_PCB" Test_Point#35 36940,3055 r90 top (schematic designator TP35)
TP87 "Test_Point_PCB" Test_Point#35 34480,3055 r90 top (schematic designator TP36)
TP88 "Test_Point_PCB" Test_Point#35 34190,3055 r90 top (schematic designator TP37)
TP89 "Test_Point_PCB" Test_Point#35 30350,3055 r90 top (schematic designator TP38)
TP90 "Test_Point_PCB" Test_Point#35 26280,3055 r90 top (schematic designator TP39)
TP91 "Test_Point_PCB" Test_Point#35 24610,3055 r90 top (schematic designator TP40)
TP92 "Test_Point_PCB" Test_Point#35 24320,3055 r90 top (schematic designator TP41)
TP93 "Test_Point_PCB" Test_Point#35 22260,3055 r90 top (schematic designator TP42)
TP94 "Test_Point_PCB" Test_Point#35 21970,3055 r90 top (schematic designator TP43)
TP95 "Test_Point_PCB" Test_Point#35 21680,3055 r90 top (schematic designator TP44)
TP96 "Test_Point_PCB" Test_Point#35 21390,3055 r90 top (schematic designator TP45)
TP97 "Test_Point_PCB" Test_Point#35 19675,3055 r90 top (schematic designator TP46)
TP98 "Test_Point_PCB" Test_Point#35 18865,3055 r90 top (schematic designator TP47)
TP99 "Test_Point_PCB" Test_Point#35 16035,3055 r90 top (schematic designator TP48)
TP100 "Test_Point_PCB" Test_Point#35 15405,3055 r90 top (schematic designator TP49)
TP101 "Test_Point_PCB" Test_Point#35 14285,3055 r90 top (schematic designator TP50)
TP102 "Test_Point_PCB" Test_Point#35 13155,3055 r90 top (schematic designator TP51)
TP103 "Test_Point_PCB" Test_Point#35 11425,3055 r90 top (schematic designator TP52)
TP104 "Test_Point_PCB" Test_Point#35 11085,3055 r90 top (schematic designator TP53)
TP105 "Test_Point_PCB" Test_Point#35 8855,3055 r90 top (schematic designator TP54)
U1 "TL494ID" D16-M 2742,2546 r180 top
U2 "TL494ID" D16-M 2744,3878 r180 top
U3 "LM7812CT" Fairchild_LM7805CT_0 7735.26,3318 r0 bottom
U4 "LM2576" ON_Semiconductor_936A-02_MFG 7396,2337 r270 top
U5 "TL494ID" D16-M 2736.25,1207 r180 top
U6 "IC_Nexperia_TL431AQDBZR,215_eec" Nexperia_TL431AQDBZR,215_0 2739.6,5313.63 r180 top
U7 "IC_Nexperia_TL431AQDBZR,215_eec" Nexperia_TL431AQDBZR,215_0 1549,5329 r180 top
U8 "IC_Nexperia_TL431AQDBZR,215_eec" Nexperia_TL431AQDBZR,215_0 3903,5303 r180 top
U9 "IC_Nexperia_TL431AQDBZR,215_eec" Nexperia_TL431AQDBZR,215_0 6303.6,5282.63 r180 top
U10 "IC_Nexperia_TL431AQDBZR,215_eec" Nexperia_TL431AQDBZR,215_0 7544,5288 r180 top
U11 "IC_Nexperia_TL431AQDBZR,215_eec" Nexperia_TL431AQDBZR,215_0 5096.6,5301.63 r180 top
U16 "IC_Nexperia_TL431AQDBZR,215_eec" Nexperia_TL431AQDBZR,215_0 39265,3040 r0 top (schematic designator U5)
U17 "IC_Nexperia_TL431AQDBZR,215_eec" Nexperia_TL431AQDBZR,215_0 38820,3040 r0 top (schematic designator U6)
U18 "IC_Nexperia_TL431AQDBZR,215_eec" Nexperia_TL431AQDBZR,215_0 39040,3040 r0 top (schematic designator U7)
U19 "IC_Nexperia_TL431AQDBZR,215_eec" Nexperia_TL431AQDBZR,215_0 27630,3040 r0 top (schematic designator U8)
U20 "IC_Nexperia_TL431AQDBZR,215_eec" Nexperia_TL431AQDBZR,215_0 27850,3040 r0 top (schematic designator U9)
U21 "IC_Nexperia_TL431AQDBZR,215_eec" Nexperia_TL431AQDBZR,215_0 27420,3040 r0 top (schematic designator U10)
Z1 "MM3Z5V1ST1G" SOD2512X110N 7120,4644 r270 bottom

## Footprints (in the part's own frame and the unit in brackets; to place one, negate y for a bottom-side part, rotate by r counter-clockwise, add the part's x,y. Pads: shape width x height; smd on the part's side, far side on the other; paste and mask are expansions set on the pad)
61900311121 [mm] "2.54mm Male Locking Header, 3p"
  rect 1.5x1.5 hole 1: 1(2.54,0.3)
  round 1.5 hole 1: 2(0,0.3) 3(-2.54,0.3)
  silkscreen extent -3.98,-3.52 3.98,2.98, body extent -3.81,-2.9 3.81,2.9, height 11.53
61900811121 [mm] "2.54mm Male Locking Header, 8p"
  rect 1.5x1.5 hole 1: 1(8.89,0.3)
  round 1.5 hole 1: 2(6.35,0.3) 3(3.81,0.3) 4(1.27,0.3) 5(-1.27,0.3) 6(-3.81,0.3) 7(-6.35,0.3) 8(-8.89,0.3)
  silkscreen extent -10.33,-3.52 10.33,2.97, body extent -10.16,-2.9 10.16,2.9, height 11.53
691101710002 [mm] "5,00mm - modular - blue - Horizontal entry with pressure clamp - 12,6mm height - 02p"
  rrect50% 1.95x1.95 hole 1.3: 1(-2.5,-0.5)
  round 1.95 hole 1.3: 2(2.5,-0.5)
  silkscreen extent -5.6,-4.5 5.6,4.5, body extent -5.6,-4.5 5.6,4.5, height 12.65
BC847B215 [mm]
  rect 0.6x0.7 smd: 1(-0.95,-1) 2(0.95,-1) 3(0,1)
  silkscreen extent -1.45,-1.9 1.45,0.65, body extent -1.45,-1.2 1.45,1.2, height 0.95
Bourns_3296W_MFG [mm]
  rect 1.2x1.2 hole 0.7 paste-1000 mask+0: 1(0.005,-2.54)
  round 1.2 hole 0.7 paste-1000 mask+0: 2(0.005,0) 3(0.005,2.54)
  silkscreen extent -2.48,-4.89 2.48,4.89, body extent -2.41,-4.76 2.42,4.77, height 12.05
D14-M [mm]
  rect 2.27x0.558 smd paste+0 mask+0: 1(-2.514,3.81) 2(-2.514,2.54) 3(-2.514,1.27) 4(-2.514,0) 5(-2.514,-1.27) 6(-2.514,-2.54) 7(-2.514,-3.81) 8(2.514,-3.81) 9(2.514,-2.54) 10(2.514,-1.27) 11(2.514,0) 12(2.514,1.27) 13(2.514,2.54) 14(2.514,3.81)
  silkscreen extent -2.12,-4.5 4.16,4.5, body extent -3.1,-4.37 3.1,4.37, height 1.76
D16-M [mil]
  rect 65.5x22 smd paste+0 mask+0: 1(-111.25,175) 2(-111.25,125) 3(-111.25,75) 4(-111.25,25) 5(-111.25,-25) 6(-111.25,-75) 7(-111.25,-125) 8(-111.25,-175) 9(111.25,-175) 10(111.25,-125) 11(111.25,-75) 12(111.25,-25) 13(111.25,25) 14(111.25,75) 15(111.25,125) 16(111.25,175)
  silkscreen extent -84,-202 164,202, body extent -122,-197 122,197, height 69
DO-201AD_STM [mil]
  rect 81x81 hole 61 mask+0: 1(0,0)
  round 81 hole 61 mask+0: 2(862,0)
  silkscreen extent -151,-110 623,109, body extent -26,-105 887,105, height 209
EEEFK1V331P [mm]
  rect 2x4.1 smd: 1(0,-4.35) 2(0,4.35)
  silkscreen extent -5.15,-7 5.15,5.15, body extent -5.15,-5.85 5.15,5.85, height 10.3
Fairchild_LM7805CT_0 [mm]
  rect 2.05x2.05 hole 1.35 paste-1000 mask+0: 1(-0.54,2.535)
  round 2.05 hole 1.35 paste-1000 mask+0: 2(-0.54,0) 3(-0.54,-2.54)
  silkscreen extent -2.18,-5.08 2.18,5.7, body extent -2.1,-5.09 2.11,5.07, height 21.88